# KiCad board Decent800.kicad_pcb
title: Decent800 keyboard; date: 2024-07-28; rev: 2.1
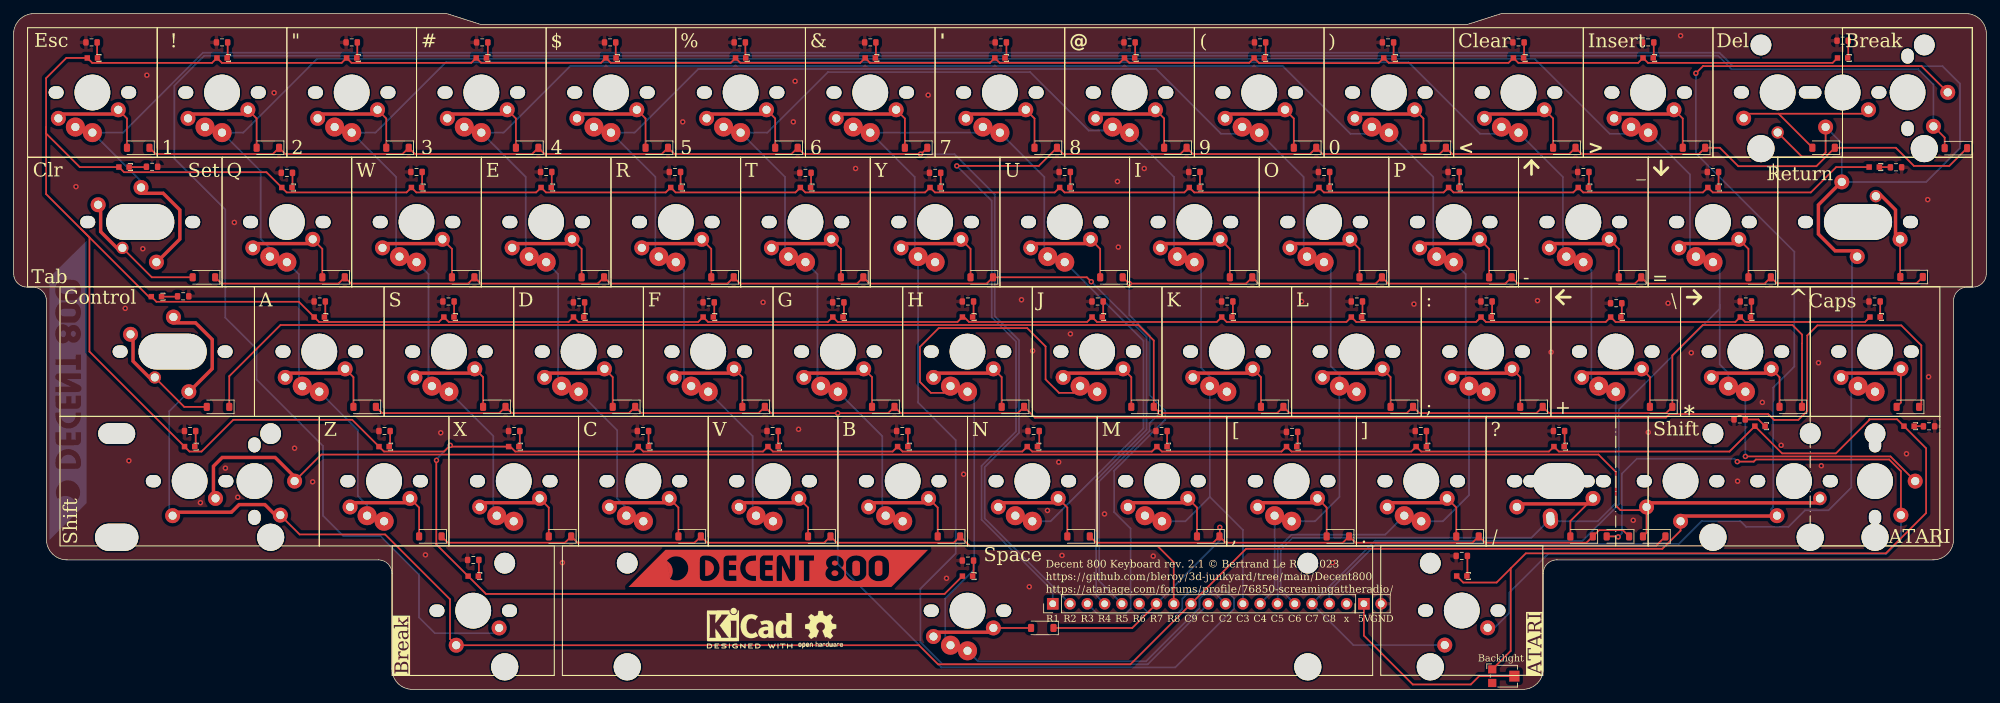
[diagram p0: board, top side]
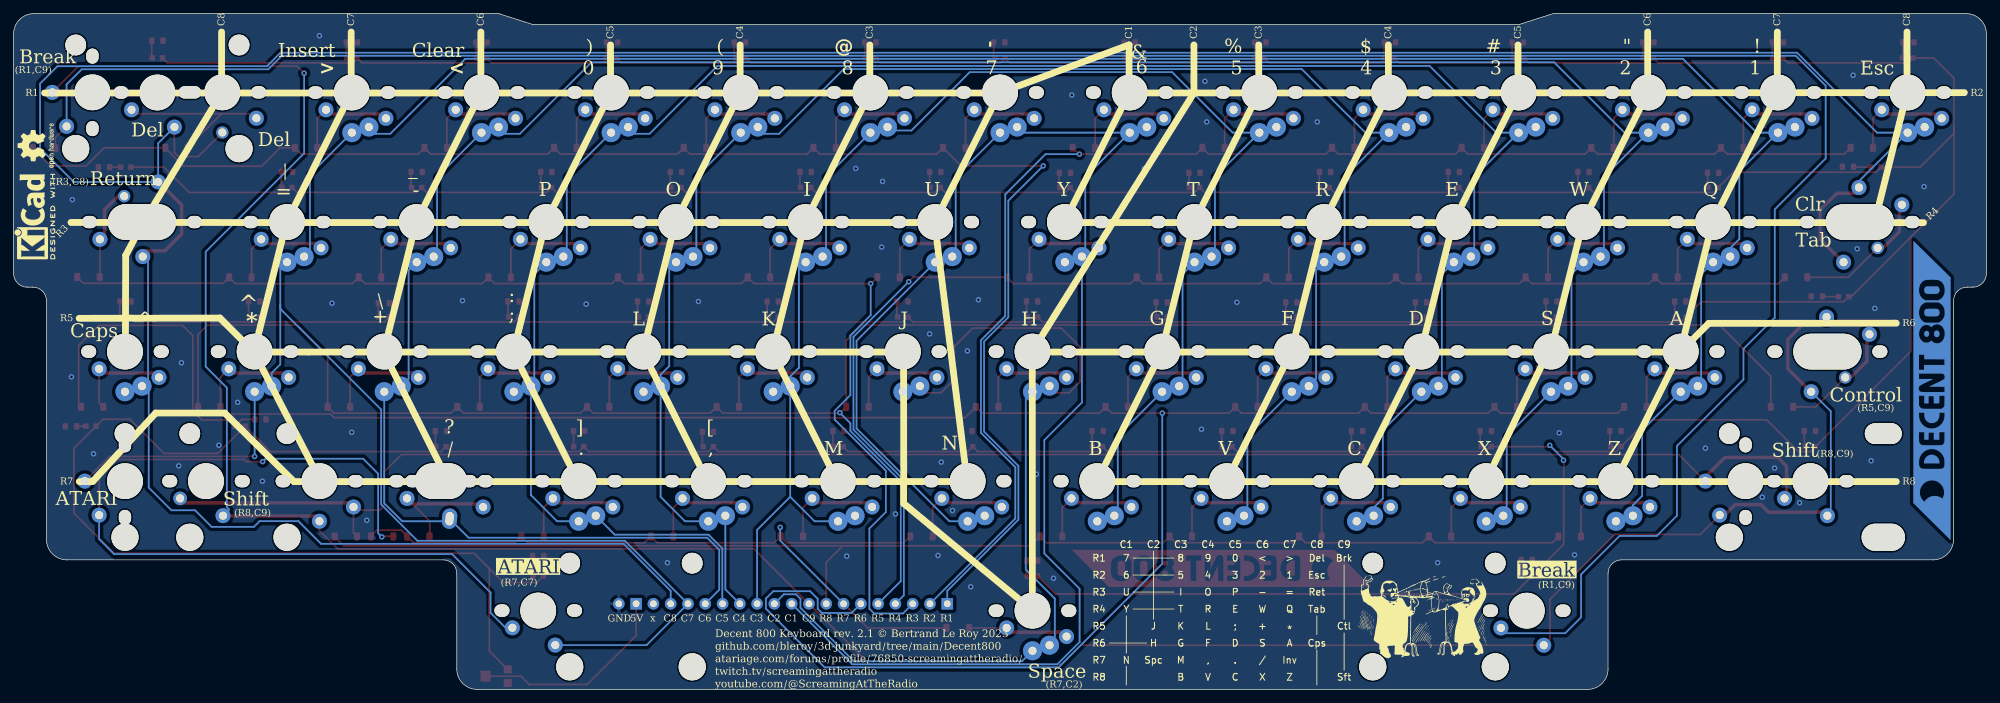
[diagram p1: board, bottom side, seen from below]

Outline 289.88 x 99.38 mm; copper layers: Top, Bottom. Coordinates in mm from the lower left corner of the outline.
Outline path: 0,96.38 0,61.15 arc(0.59,59.74) 2,59.15 2.83,59.15 arc(4.24,58.56) 4.83,57.15 4.83,22.05 arc(5.7,19.93) 7.83,19.05 53.59,19.05 arc(55.01,18.46) 55.59,17.05 55.59,3 arc(56.47,0.88) 58.59,0 221.76,0 arc(223.88,0.88) 224.76,3 224.76,17.05 arc(225.34,18.46) 226.76,19.05 282.05,19.05 arc(284.17,19.93) 285.05,22.05 285.05,57.15 arc(285.64,58.56) 287.05,59.15 287.88,59.15 arc(289.29,59.74) 289.88,61.15 289.88,96.38 arc(289,98.5) 286.88,99.38 218.59,99.38 213.59,97.78 68.65,97.78 63.65,99.38 3,99.38 arc(0.88,98.5) 0,96.38

## Placement (name value [footprint] x y rotation side)
D1  1N4148W  [D_SOD-123]  285.39 79.6 180 top
D2  1N4148W  [D_SOD-123]  30.04 41.55 180 top
D3  1N4148W  [D_SOD-123]  241.07 22.5 180 top
D5  1N4148W  [D_SOD-123]  151.66 79.65 180 top
D6  1N4148W  [D_SOD-123]  132.61 79.65 180 top
D7  1N4148W  [D_SOD-123]  161.31 60.6 180 top
D8  1N4148W  [D_SOD-123]  142.26 60.6 180 top
D10  1N4148W  [D_SOD-123]  156.48 22.5 180 top
D12  1N4148W  [D_SOD-123]  165.88 41.55 180 top
D13  1N4148W  [D_SOD-123]  146.83 41.55 180 top
D14  1N4148W  [D_SOD-123]  151.15 9.04 180 top
D15  1N4148W  [D_SOD-123]  170.71 79.65 180 top
D16  1N4148W  [D_SOD-123]  113.56 79.65 180 top
D17  1N4148W  [D_SOD-123]  180.36 60.6 180 top
D18  1N4148W  [D_SOD-123]  123.21 60.6 180 top
D19  1N4148W  [D_SOD-123]  184.93 41.55 180 top
D20  1N4148W  [D_SOD-123]  127.78 41.55 180 top
D21  1N4148W  [D_SOD-123]  175.53 22.5 180 top
D22  1N4148W  [D_SOD-123]  137.43 22.5 180 top
D24  1N4148W  [D_SOD-123]  189.76 79.65 180 top
D25  1N4148W  [D_SOD-123]  94.51 79.65 180 top
D26  1N4148W  [D_SOD-123]  199.41 60.6 180 top
D27  1N4148W  [D_SOD-123]  104.16 60.6 180 top
D28  1N4148W  [D_SOD-123]  203.98 41.55 180 top
D29  1N4148W  [D_SOD-123]  108.73 41.55 180 top
D30  1N4148W  [D_SOD-123]  194.58 22.5 180 top
D31  1N4148W  [D_SOD-123]  118.38 22.5 180 top
D32  1N4148W  [D_SOD-123]  208.81 79.65 180 top
D33  1N4148W  [D_SOD-123]  75.46 79.65 180 top
D34  1N4148W  [D_SOD-123]  218.46 60.6 180 top
D35  1N4148W  [D_SOD-123]  85.11 60.6 180 top
D36  1N4148W  [D_SOD-123]  223.03 41.55 180 top
D37  1N4148W  [D_SOD-123]  89.68 41.55 180 top
D38  1N4148W  [D_SOD-123]  213.63 22.5 180 top
D39  1N4148W  [D_SOD-123]  99.33 22.5 180 top
D41  1N4148W  [D_SOD-123]  227.86 79.65 180 top
D42  1N4148W  [D_SOD-123]  56.41 79.65 180 top
D43  1N4148W  [D_SOD-123]  237.51 60.6 180 top
D44  1N4148W  [D_SOD-123]  66.06 60.6 180 top
D45  1N4148W  [D_SOD-123]  242.08 41.55 180 top
D46  1N4148W  [D_SOD-123]  70.63 41.55 180 top
D47  1N4148W  [D_SOD-123]  230.4 22.5 180 top
D48  1N4148W  [D_SOD-123]  80.28 22.5 180 top
D49  1N4148W  [D_SOD-123]  246.91 79.65 180 top
D50  1N4148W  [D_SOD-123]  37.36 79.65 180 top
D51  1N4148W  [D_SOD-123]  256.56 60.6 180 top
D52  1N4148W  [D_SOD-123]  47.01 60.6 180 top
D53  1N4148W  [D_SOD-123]  261.13 41.55 180 top
D54  1N4148W  [D_SOD-123]  51.58 41.55 180 top
D55  1N4148W  [D_SOD-123]  235.73 22.5 180 top
D56  1N4148W  [D_SOD-123]  61.23 22.5 180 top
D57  1N4148W  [D_SOD-123]  265.96 79.65 180 top
D58  1N4148W  [D_SOD-123]  18.31 79.65 180 top
D59  1N4148W  [D_SOD-123]  278.88 60.65 180 top
D60  1N4148W  [D_SOD-123]  27.96 60.6 180 top
D62  1N4148W  [D_SOD-123]  278.34 41.55 180 top
Decent800  -  [LOGO]  112.33 17.8 0 top
Decent800#2  -  [LOGO]  8 43.94 90 bottom
J1  Conn_01x02_Pin  [PinHeader_1x02_P2.54mm_Vertical]  198.41 12.59 90 top
J2  Conn_01x18  [PinHeader_1x18_P2.54mm_Vertical]  152.69 12.59 90 top
R2  100  [R_0603_1608Metric]  67.54 19.04 180 top
R3  100  [R_0603_1608Metric]  24.91 57.8 0 top
R4  100  [R_0603_1608Metric]  25.93 37.99 180 top
R5  100  [R_0603_1608Metric]  253.62 39.7 180 top
R6  100  [R_0603_1608Metric]  268.75 95.4 180 top
R7  100  [R_0603_1608Metric]  145.05 95.14 180 top
R8  100  [R_0603_1608Metric]  125.88 95.14 180 top
R9  100  [R_0603_1608Metric]  154.45 76.09 180 top
R10  100  [R_0603_1608Metric]  135.4 75.97 180 top
R11  100  [R_0603_1608Metric]  212.79 19.63 180 top
R12  100  [R_0603_1608Metric]  149.88 37.99 180 top
R14  100  [R_0603_1608Metric]  159.28 57.04 180 top
R15  100  [R_0603_1608Metric]  140.23 57.04 180 top
R16  100  [R_0603_1608Metric]  140.23 18.94 180 top
R17  100  [R_0603_1608Metric]  163.98 95.14 180 top
R18  100  [R_0603_1608Metric]  106.7 95.14 180 top
R19  100  [R_0603_1608Metric]  173.5 76.09 180 top
R20  100  [R_0603_1608Metric]  116.35 75.97 180 top
R21  100  [R_0603_1608Metric]  178.33 57.04 180 top
R22  100  [R_0603_1608Metric]  121.18 56.91 180 top
R23  100  [R_0603_1608Metric]  168.68 37.99 180 top
R24  100  [R_0603_1608Metric]  130.58 37.99 180 top
R25  100  [R_0603_1608Metric]  183.15 95.14 180 top
R26  100  [R_0603_1608Metric]  87.65 95.14 180 top
R27  100  [R_0603_1608Metric]  192.55 76.09 180 top
R28  100  [R_0603_1608Metric]  97.18 76.09 180 top
R29  100  [R_0603_1608Metric]  197.38 57.04 180 top
R30  100  [R_0603_1608Metric]  102.13 56.91 180 top
R31  100  [R_0603_1608Metric]  187.85 37.86 180 top
R32  100  [R_0603_1608Metric]  111.53 37.99 180 top
R33  100  [R_0603_1608Metric]  201.95 95.14 180 top
R34  100  [R_0603_1608Metric]  68.85 95.14 180 top
R35  100  [R_0603_1608Metric]  211.6 76.09 180 top
R36  100  [R_0603_1608Metric]  78.25 76.09 180 top
R37  100  [R_0603_1608Metric]  216.43 57.04 180 top
R38  100  [R_0603_1608Metric]  83.08 56.91 180 top
R39  100  [R_0603_1608Metric]  206.78 37.99 180 top
R40  100  [R_0603_1608Metric]  92.48 37.99 180 top
R42  100  [R_0603_1608Metric]  221.13 95.14 180 top
R43  100  [R_0603_1608Metric]  49.68 95.14 180 top
R44  100  [R_0603_1608Metric]  230.65 76.09 180 top
R45  100  [R_0603_1608Metric]  59.2 76.09 180 top
R46  100  [R_0603_1608Metric]  235.48 56.79 180 top
R47  100  [R_0603_1608Metric]  63.9 57.04 180 top
R48  100  [R_0603_1608Metric]  227.08 37.99 180 top
R49  100  [R_0603_1608Metric]  73.55 37.99 180 top
R50  100  [R_0603_1608Metric]  240.18 95.14 180 top
R51  100  [R_0603_1608Metric]  30.63 95.14 180 top
R52  100  [R_0603_1608Metric]  249.7 76.09 180 top
R53  100  [R_0603_1608Metric]  40.15 75.97 180 top
R54  100  [R_0603_1608Metric]  254.53 57.04 180 top
R55  100  [R_0603_1608Metric]  44.98 57.04 180 top
R56  100  [R_0603_1608Metric]  281.45 38.69 0 top
R57  100  [R_0603_1608Metric]  54.5 37.99 180 top
R60  100  [R_0603_1608Metric]  11.45 95.14 180 top
R61  100  [R_0603_1608Metric]  276.6 76.78 0 top
R62  100  [R_0603_1608Metric]  20.34 76.85 0 top
R64  100  [R_0603_1608Metric]  273.45 57.04 180 top
REF**  -  [Arrow]  242.08 76.73 270 top
REF**#2  -  [KiCad-Logo2_5mm_SilkScreen]  108.15 9.01 0 top
REF**#3  -  [OSHW-Logo2_7.3x6mm_SilkScreen]  118.59 8.78 0 top
REF**#4  -  [Arrow]  227.73 57.68 180 top
REF**#5  -  [Arrow]  223.03 76.73 90 top
REF**#6  -  [Arrow]  246.91 57.68 0 top
REF**#7  -  [OSHW-Logo2_7.3x6mm_SilkScreen]  286.54 79.97 90 bottom
REF**#8  -  [Atari800_Matrix]  112.16 10.81 180 bottom
REF**#9  -  [KiCad-Logo2_5mm_SilkScreen]  286.77 69.53 90 bottom
RV1  R_Potentiometer  [Potentiometer_Bourns_TC33X_Vertical]  219.07 1.95 0 top
ScreamingAtTheRadio  -  [LOGO]  82.94 10.68 180 bottom
SW0  0  [MX-1-00U-LED]  202.08 92.86 0 top
SW1  1  [MX-1-00U-LED]  30.63 92.86 0 top
SW2  2  [MX-1-00U-LED]  49.68 92.86 0 top
SW3  3  [MX-1-00U-LED]  68.73 92.86 0 top
SW4  4  [MX-1-00U-LED]  87.78 92.86 0 top
SW5  5  [MX-1-00U-LED]  106.83 92.86 0 top
SW6  6  [MX-1-00U-LED]  125.88 92.86 0 top
SW7  7  [MX-1-00U-LED]  144.93 92.86 0 top
SW8  8  [MX-1-00U-LED]  163.98 92.86 0 top
SW9  9  [MX-1-00U-LED]  183.03 92.86 0 top
SWA1  A  [MX-1-00U-LED]  44.91 54.76 0 top
SWAtari1  Atari  [Choc-1-00U-LED]  278.51 38.71 0 top
SWAtari2  Atari  [MX-1-25U-LED]  212.79 16.68 0 top
SWB1  B  [MX-1-00U-LED]  130.64 35.71 0 top
SWBrk1  Break  [Choc-1-00U#2]  273.22 87.8 90 top
SWBrk2  Break  [MX-1-25U-LED]  67.54 16.66 0 top
SWC1  C  [MX-1-00U-LED]  92.54 35.71 0 top
SWComma1  Comma  [MX-1-00U-LED]  187.79 35.71 0 top
SWCps1  Caps  [MX-1-00U-LED]  273.51 54.76 0 top
SWCtl1  Control  [MX-1-50U-LED]  21.1 57.76 0 top
SWD1  D  [MX-1-00U-LED]  83.01 54.76 0 top
SWDash1  Dash  [MX-1-00U-LED]  230.65 73.81 0 top
SWDel1  Del  [Choc-1-00U]  259.21 92.88 0 top
SWDel2  Del  [MX-2-00U-LED-Del]  268.75 92.86 0 top
SWE1  E  [MX-1-00U-LED]  78.25 73.81 0 top
SWEqual1  Equal  [MX-1-00U-LED]  249.7 73.81 0 top
SWEsc1  Esc  [MX-1-00U-LED]  11.58 92.86 0 top
SWF1  F  [MX-1-00U-LED]  102.06 54.76 0 top
SWG1  G  [MX-1-00U-LED]  121.11 54.76 0 top
SWGT1  GreaterThan  [MX-1-00U-LED]  240.18 92.86 0 top
SWH1  H  [MX-1-00U-LED]  140.16 54.76 0 top
SWI1  I  [MX-1-00U-LED]  173.5 73.81 0 top
SWJ1  J  [MX-1-00U-LED]  159.21 54.76 0 top
SWK1  K  [MX-1-00U-LED]  178.26 54.76 0 top
SWL1  L  [MX-1-00U-LED]  197.31 54.76 0 top
SWLeftSft1  Shift  [MX-2-00U-LED]  25.86 35.71 0 top
SWLT1  LessThan  [MX-1-00U-LED]  221.13 92.86 0 top
SWM1  M  [MX-1-00U-LED]  168.74 35.71 0 top
SWN1  N  [MX-1-00U-LED]  149.69 35.71 0 top
SWO1  O  [MX-1-00U-LED]  192.55 73.81 0 top
SWP1  P  [MX-1-00U-LED]  211.6 73.81 0 top
SWPeriod1  Period  [MX-1-00U-LED]  206.84 35.71 0 top
SWPlus1  Plus  [MX-1-00U-LED]  235.41 54.76 0 top
SWQ1  Q  [MX-1-00U-LED]  40.15 73.81 0 top
SWR1  R  [MX-1-00U-LED]  97.3 73.81 0 top
SWRet1  Return  [MX-1-50U-LED-Right]  273.51 76.81 0 top
SWRightSft1  Shift  [MX-2-25U-LED]  256.61 38.71 0 top
SWS1  S  [MX-1-00U-LED]  63.96 54.76 0 top
SWSemi1  Semicolon  [MX-1-00U-LED]  216.36 54.76 0 top
SWSlash1  Slash  [MX-1-00--1-25U-LED]  227.08 35.71 0 top
SWSpc1  Space  [MX-6-25U-LED]  140.16 16.66 0 top
SWStar1  Star  [MX-1-00U-LED]  254.46 54.76 0 top
SWT1  T  [MX-1-00U-LED]  116.35 73.81 0 top
SWTab1  Tab  [MX-1-50U-LED]  16.34 76.81 0 top
SWU1  U  [MX-1-00U-LED]  154.45 73.81 0 top
SWV1  V  [MX-1-00U-LED]  111.59 35.71 0 top
SWW1  W  [MX-1-00U-LED]  59.2 73.81 0 top
SWX1  X  [MX-1-00U-LED]  73.49 35.71 0 top
SWY1  Y  [MX-1-00U-LED]  135.4 73.81 0 top
SWZ1  Z  [MX-1-00U-LED]  54.44 35.71 0 top

## Library data of the parts
D1-D3 D5-D8 D10 D12-D22 D24-D39 D41-D60 D62 = -: Description: 75V 0.15A Fast Switching Diode, SOD-123; JLCPCB Part #: C81598
J1 = -: Description: Generic connector, single row, 01x02, script generated
J2 = -: Description: Generic connector, single row, 01x18, script generated (kicad-library-utils/schlib/autogen/connector/)
R2-R12 R14-R40 R42-R57 R60-R62 R64 = -: Description: Resistor; JLCPCB Part #: C22775
RV1 = -: Description: Potentiometer; JLCPCB Part #: C720647; JLCPCB Rotation Offset: 180
SW0-SW9 SWA1 SWAtari1 SWAtari2 SWB1 SWBrk2 SWC1 SWComma1 SWCps1 SWCtl1 SWD1 SWDash1 SWDel2 SWE1 SWEqual1 SWEsc1 SWF1 SWG1 SWGT1 SWH1 SWI1 SWJ1 SWK1 SWL1 SWLeftSft1 SWLT1 SWM1 SWN1 SWO1 SWP1 SWPeriod1 SWPlus1 SWQ1 SWR1 SWRet1 SWRightSft1 SWS1 SWSemi1 SWSlash1 SWSpc1 SWStar1 SWT1 SWTab1 SWU1 SWV1 SWW1 SWX1 SWY1 SWZ1 = -: JLCPCB Part #: C193191; JLCPCB Rotation Offset: 180
SWBrk1 SWDel1 = -: Description: Single Pole Single Throw (SPST) switch; JLCPCB Part #: C193191; JLCPCB Rotation Offset: 180

## Footprints (pads in the part's own frame, mm; a bottom-side part is the same pattern mirrored in y, then rotated)
Choc-1-00U
  oval 2.2x1.8 hole 2.2x1.8 unplated: (-5.33,-5.08)
  round 5.25 hole 5.25 unplated: (0,-5.08)
  oval 3.315x1.8 hole 3.315x1.8 unplated: (4.772,-5.08)
  round 1.8 hole 1.2: 1(0,-10.98)
  round 2.2 hole 1.2: 2(-5,-8.88)
Choc-1-00U#2
  oval 2.2x1.8 hole 2.2x1.8 unplated: (-5.33,-5.08) (5.33,-5.08)
  round 5.25 hole 5.25 unplated: (0,-5.08)
  round 2.2 hole 1.2: 1(0,-10.98) 2(-5,-8.88)
Choc-1-00U-LED
  oval 1.8x2.2 hole 1.8x2.2 unplated: (-5,-2.75) (-5,-13.41)
  round 5.25 hole 5.25 unplated: (-5,-8.08)
  round 2.2 hole 1.2: 1(0.9,-8.08) 2(-1.2,-13.08)
  rect 0.8x0.8 smd: 3(0.75,0) 4(-0.75,0)
D_SOD-123
  rrect 0.9x1.2 smd: 1(-1.65,0) 2(1.65,0)
MX-1-00--1-25U-LED
  oval 2.2x1.8 hole 2.2x1.8 unplated: (-6.521,-5.08) (-4.139,-5.08) (4.139,-5.08) (6.521,-5.08)
  oval 7.631x5.25 hole 7.631x5.25 unplated: (0,-5.08)
  oval 2.2x3 hole 1.2x2 rot 5: 1(-1.26,-10.6)
  round 2.2 hole 1.2: 2(-6.191,-8.88) 2(4.991,-7.62)
  rect 11x0.5 smd: 2(-0.529,-8.43)
  rect 0.8x0.8 smd: 3(0.75,0) 4(-0.75,0)
MX-1-00U-LED
  oval 2.2x1.8 hole 2.2x1.8 unplated: (-5.33,-5.08) (5.33,-5.08)
  round 5.25 hole 5.25 unplated: (0,-5.08)
  round 2.8 hole 1.2: 1(-2.5,-10.16) 1(0,-10.98)
  round 2.2 hole 1.2: 2(-5,-8.88) 2(3.8,-7.62)
  rect 7.64x0.5 smd: 2(-0.67,-8.25)
  rect 0.8x0.8 smd: 3(0.75,0) 4(-0.75,0)
MX-1-25U-LED
  oval 2.2x1.8 hole 2.2x1.8 unplated: (-5.33,-5.08) (5.33,-5.08)
  round 5.25 hole 5.25 unplated: (0,-5.08)
  round 2.2 hole 1.2: 1(-2.5,-10.16) 2(3.8,-7.62)
  rect 0.8x0.8 smd: 3(0.75,0) 4(-0.75,0)
MX-1-50U-LED
  oval 2.2x1.8 hole 2.2x1.8 unplated: (-5.449,-8.08) (9.974,-8.08)
  oval 10.012x5.25 hole 10.012x5.25 unplated: (2.263,-8.08)
  round 2.2 hole 1.2: 1(2.381,-3) 1(4.644,-13.98) 2(-3.919,-5.54)
  rect 3.5x0.5 smd: 1(3.981,-3.85)
  rect 4x0.5 smd rot 45: 1(6.751,-11.93)
  rect 3.7x0.5 smd rot 135: 1(6.851,-5.07)
  rect 0.5x4.5 smd: 1(8.081,-8.45)
  rect 0.5x4 smd: 2(-3.55,-7.61)
  rect 3.8x0.5 smd rot 135: 2(-2.28,-10.77)
  round 1.8 hole 1.2: 2(-0.356,-11.88)
  rect 0.8x0.8 smd: 3(0.631,0) 4(-0.869,0)
MX-1-50U-LED-Right
  oval 2.2x1.8 hole 2.2x1.8 unplated: (-10.211,-8.08) (5.211,-8.08)
  oval 10.012x5.25 hole 10.012x5.25 unplated: (-2.5,-8.08)
  rect 0.5x4.5 smd: 1(-8.319,-7.71)
  rect 3.7x0.5 smd rot 135: 1(-7.089,-11.09)
  rect 4x0.5 smd rot 45: 1(-6.989,-4.23)
  round 2.2 hole 1.2: 1(-4.881,-2.18) 1(-2.619,-13.16) 2(3.681,-10.62)
  rect 3.5x0.5 smd: 1(-4.219,-12.31)
  round 1.8 hole 1.2: 2(0.119,-4.28)
  rect 3.4x0.5 smd rot 135: 2(1.89,-5.17)
  rect 0.5x4 smd: 2(3.01,-8.19)
  rect 0.8x0.8 smd: 3(0.631,0) 4(-0.869,0)
MX-2-00U-LED
  oval 5.429x3.048 hole 5.429x3.048 unplated: (-10.716,1.905)
  oval 6.369x3.988 hole 6.369x3.988 unplated: (-10.716,-13.335)
  oval 2.2x1.8 hole 2.2x1.8 unplated: (-5.33,-5.08) (5.33,-5.08)
  round 5.25 hole 5.25 unplated: (0,-5.08) (9.525,-5.08)
  oval 1.8x2.2 hole 1.8x2.2 unplated: (9.525,0.25) (9.525,-10.41)
  round 3.048 hole 3.048 unplated: (11.906,1.905)
  round 3.988 hole 3.988 unplated: (11.906,-13.335)
  round 2.2 hole 1.2: 1(-2.5,-10.16) 1(13.325,-10.08) 2(3.8,-7.62) 2(15.425,-5.08)
  rect 8x0.5 smd: 1(2.25,-9.65) 2(8.67,-1.6)
  rect 1.8x0.5 smd rot 45: 1(6.7,-9.09)
  rect 4x0.5 smd: 1(9.16,-8.53)
  rect 2x0.5 smd rot 135: 1(11.69,-9.16)
  rect 0.5x4 smd: 2(3.5,-4.77)
  rect 2x0.5 smd rot 45: 2(4.14,-2.24)
  rect 4x0.5 smd rot 135: 2(13.92,-2.95)
  rect 0.8x0.8 smd: 3(0.75,0) 4(-0.75,0)
MX-2-00U-LED-Del
  round 3.048 hole 3.048 unplated: (-12,1.905) (12,1.905)
  round 3.988 hole 3.988 unplated: (-12,-13.335) (12,-13.335)
  round 5.25 hole 5.25 unplated: (0,-5.08)
  oval 2.2x1.8 hole 2.2x1.8 unplated: (5.33,-5.08)
  round 2.2 hole 1.2: 1(-2.5,-10.16) 2(3.8,-7.62)
  rect 0.8x0.8 smd: 3(0.75,0) 4(-0.75,0)
MX-2-25U-LED
  oval 2.2x1.8 hole 2.2x1.8 unplated: (-16.999,-8.08) (-6.339,-8.08) (-0.33,-8.08) (10.33,-8.08)
  round 5.25 hole 5.25 unplated: (-11.669,-8.08) (5,-8.08)
  round 3.048 hole 3.048 unplated: (-6.906,-1.095) (7.381,-1.095) (16.906,-1.095)
  round 3.988 hole 3.988 unplated: (-6.906,-16.335) (7.381,-16.335) (16.906,-16.335)
  round 2.2 hole 1.2: 1(-11.669,-13.98) 1(2.5,-13.16) 2(-16.669,-11.88)
  rect 14.762x0.5 smd: 1(-4.491,-13.21)
  rect 26.163x0.5 smd: 2(-3.83,-11.27)
  round 2 hole 1.2: 2(8.8,-10.62)
  rect 0.8x0.8 smd: 3(0.75,0) 4(-0.75,0)
MX-6-25U-LED
  round 3.048 hole 3.048 unplated: (-68,1.905) (-50,1.905) (50,1.905) (68,1.905)
  round 3.988 hole 3.988 unplated: (-68,-13.335) (-50,-13.335) (50,-13.335) (68,-13.335)
  oval 2.2x1.8 hole 2.2x1.8 unplated: (-5.33,-5.08) (5.33,-5.08)
  round 5.25 hole 5.25 unplated: (0,-5.08)
  round 2.8 hole 1.2: 1(-2.5,-10.16) 1(0,-10.98)
  round 2.2 hole 1.2: 2(-5,-8.88) 2(3.8,-7.62)
  rect 7.64x0.5 smd: 2(-0.67,-8.25)
  rect 0.8x0.8 smd: 3(0.75,0) 4(-0.75,0)
PinHeader_1x02_P2.54mm_Vertical
  rect 1.7x1.7 hole 1: 1(0,0)
  oval 1.7x1.7 hole 1: 2(0,-2.54)
PinHeader_1x18_P2.54mm_Vertical
  rect 1.7x1.7 hole 1: 1(0,0)
  oval 1.7x1.7 hole 1: 2(0,-2.54) 3(0,-5.08) 4(0,-7.62) 5(0,-10.16) 6(0,-12.7) 7(0,-15.24) 8(0,-17.78) 9(0,-20.32) 10(0,-22.86) 11(0,-25.4) 12(0,-27.94) 13(0,-30.48) 14(0,-33.02) 15(0,-35.56) 16(0,-38.1) 17(0,-40.64) 18(0,-43.18)
Potentiometer_Bourns_TC33X_Vertical
  rect 1.2x1.2 smd: 1(-1.8,1) 3(-1.8,-1)
  rect 1.5x1.6 smd: 2(1.45,0)
R_0603_1608Metric
  rrect 0.8x0.95 smd: 1(-0.825,0) 2(0.825,0)
